# Altium PCB OMD_60V_REF_1.PcbDoc (part 5 of 6) (continued)
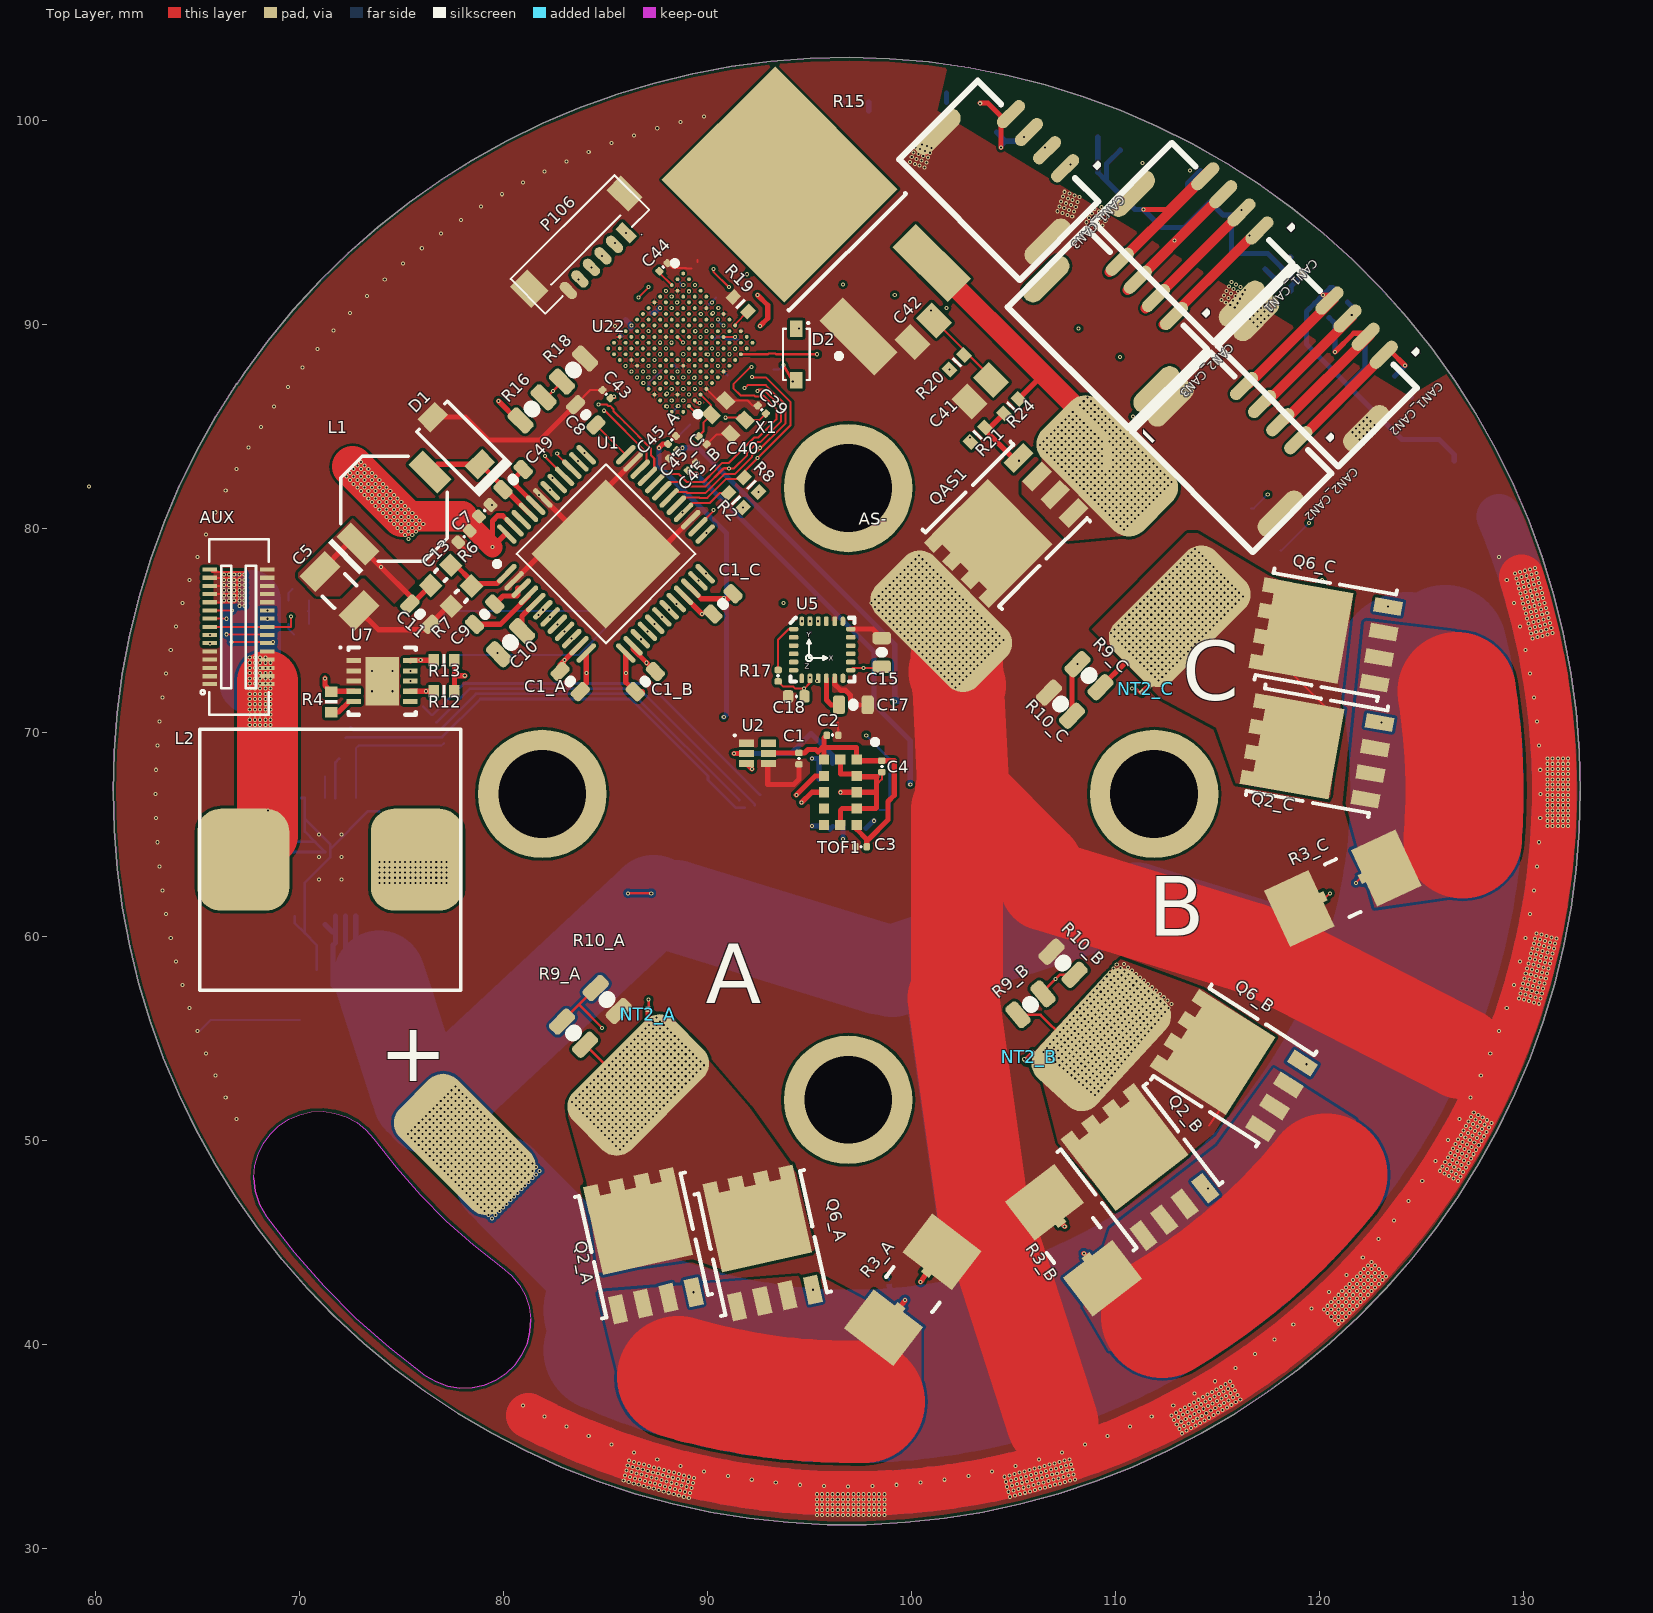
[diagram p0: Top Layer view]
## Nets (pads, with @x,y where several pads share a name; then routed paths per layer and width w, separated by ;. In a path a pad name is that pad's centre, name@x,y a point inside that pad or via, vN(x,y) a via of type N, cw(c..) or ccw(c..) an arc to the next point about the centre after c; other vN are vias at no path point) (continued)
  other v2: 120.186,91.44
  other v3: 120.186,91.44
NetCAN1_CAN3_1: CAN1_CAN3.1 U1_CAN3.11 U1_CAN3.16 | length 23.8
  L3 w0.254: v3(95.377,100.889) 96.952,99.314 101.483,99.314 104.013,96.784 107.305,96.784 107.374,96.853 107.702,96.853 107.823,96.974 107.823,98.791 105.649,100.965 104.896,100.965 104.388,101.473 101.854,101.473 v3(101.727,101.346)
  Bottom Layer w0.254: U1_CAN3.16@101.727,100.889 v3(101.727,101.346)
  other v1: 107.807,97.841
  other v2: 107.807,97.841
  other v3: 107.807,97.841
NetCAN1_CAN3_2: CAN1_CAN3.2 R1_CAN3.1 U1_CAN3.13 | length 11.8
  Top Layer w0.127: CAN1_CAN3.2@106.553,98.64 v7(106.553,98.679)
  L3 w0.127: 105.849,98.61 106.506,98.61 106.437,98.679 v7(106.553,98.679)
  L3 w0.254: v3(97.917,100.457) 98.679,99.695 101.641,99.695 103.038,98.298 105.537,98.298 105.849,98.61 105.882,98.643 105.882,100.09 v2(105.849,100.123)
  Bottom Layer w0.254: v3(97.917,100.457) U1_CAN3.13@97.917,100.889
  other v3: 105.849,100.123
NetCAN1_CAN3_3: CAN1_CAN3.3 R2_CAN3.2 U1_CAN3.12 | length 10.5
  Top Layer w0.127: v7(105.528,99.187) CAN1_CAN3.3@105.767,99.426
  L3 w0.127: 104.314,100.203 105.33,99.187 v7(105.528,99.187)
  L3 w0.254: v3(96.647,100.889) 96.669,100.911 98.105,100.911 98.371,100.645 98.371,100.542 98.71,100.203 104.314,100.203 v2(104.665,100.554)
  other v3: 104.665,100.554
NetCAN1_CAN3_4: CAN1_CAN3.4 R1_CAN3.2 R2_CAN3.1 U1_CAN3.9 U1_CAN3.10 U1_CAN3.14 U1_CAN3.15 | length 15.8
  Top Layer w0.254: v1@103.366,100.85 103.747,100.85 104.394,100.203 v1(104.394,98.679)
  L3 w0.254: v3(92.837,100.838) v3(94.107,100.838) 94.612,101.343 98.212,101.343 98.666,100.889 v3(99.187,100.889) 99.39,101.092 v3(100.457,101.092) 101.339,101.092 101.539,100.892 101.915,100.892 102.115,101.092 103.124,101.092 v1(103.378,100.838)
  Bottom Layer w0.254: R2_CAN3.1@104.173,99.429 104.621,98.981 ; v1(104.394,98.679) 104.394,98.754 104.621,98.981 ; R1_CAN3.2@105.322,98.981 104.621,98.981
  other v2: 104.394,98.679 103.378,100.838
  other v3: 104.394,98.679 103.378,100.838
NetD2_C: D2.C R20.2 | length 8.2
  L3 w0.1: v4(94.488,89.789) 99.866,89.789 v4(101.876,87.779)
  other v6: 101.876,87.779 94.488,89.789
NetNT1_1: NT1.1 U1.7 | length 41.4
  Top Layer w0.127: v1(86.106,62.103) v1(87.249,62.103)
  L2 w0.1: 91.313,50.038 98.044,43.307 v3(98.806,43.307)
  L2 w0.127: v1(82.29,75.652) 81.407,74.769 81.407,72.78 86.233,67.954 86.233,62.575 86.197,62.539 86.197,62.194 v1(86.106,62.103) ; v1(87.249,62.103) 87.249,59.182 91.313,55.118 91.313,50.038
  Bottom Layer w0.1: v3(98.806,43.307) 98.918,43.195 NT1.1@98.918,43.136
  other v1: 98.806,43.307
  other v2: 98.806,43.307
NetNT2_A_1: NT2_A.1 U1.9 | length 20.9
  Top Layer w0.127: NT2_A.1@87.105,56.508 87.122,56.524 v1(87.122,56.896)
  L2 w0.127: v1(82.997,74.945) 82.169,74.117 82.169,72.737 86.741,68.165 86.741,62.365 86.705,62.329 86.705,61.877 86.741,61.841 86.741,57.277 v1(87.122,56.896)
NetNT2_B_1: NT2_B.1 U1.16 | length 28.7
  Top Layer w0.1: v1(105.537,53.975) NT2_B.1@105.604,53.908
  L2 w0.1: 91.186,70.91 93.091,69.005 93.091,66.536 93.345,66.282
  L2 w0.127: v1(87.063,74.945) 87.152,74.945 91.186,70.91 ; 93.345,66.282 v1@105.589,54.027
NetNT2_C_1: NT2_C.1 U1.19 | length 27.3
  Top Layer w0.127: v1(110.822,72.136) 111.006,72.136 NT2_C.1@111.24,71.902
  L2 w0.127: v1(88.124,76.005) 94.787,69.342 94.847,69.342 94.856,69.351 95.39,69.351 95.536,69.206 104.236,69.206 107.166,72.136 v1(110.822,72.136)
NetQ1_A_G: Q1_A.G Q5_A.G U1.8 | length 40.4
  Top Layer w0.127: v1(82.643,75.283) U1.8@82.643,75.298
  L2 w0.127: v1(82.643,75.283) 81.788,74.428 81.788,72.758 86.487,68.059 86.487,62.47 86.451,62.434 86.451,61.772 86.487,61.736 86.487,57.023 86.995,56.515 88.646,56.515 90.424,54.737 90.424,49.276 89.9,48.752 v3(89.9,45.642)
  L3 w0.1: v3(89.9,45.642) 93.14,45.642 94.147,46.649 v3(95.091,46.649)
  other v2: 89.9,45.642
NetQ1_B_G: Q1_B.G Q5_B.G U1.17 | length 41.6
  L2 w0.1: 91.703,71.011 93.599,69.116 93.599,66.428 93.853,66.174
  L2 w0.127: v1(87.416,75.298) 91.703,71.011 ; 93.853,66.174 106.313,53.714 106.313,53.663 108.16,51.816 v2(111.379,51.816) 114.681,55.118 v3(114.681,56.769)
  other v2: 114.681,56.769
  other v3: 111.379,51.816
NetQ1_C_G: Q1_C.G Q5_C.G U1.18 | length 43.5
  L2 w0.1: v3(118.75,75.159) 117.45,75.159 116.459,74.168 116.459,73.66 119.947,70.172 v3(120.271,70.172)
  L2 w0.127: v1(87.77,75.652) 94.334,69.088 94.952,69.088 94.961,69.097 95.285,69.097 95.431,68.952 104.385,68.952 107.161,71.728 113.765,71.728 117.196,75.159 117.45,75.159
  other v2: 120.271,70.172 118.75,75.159
NetQ2_A_G: Q2_A.G Q6_A.G U1.10 | length 43.4
  Top Layer w0.127: v1(83.349,74.591) U1.10@83.351,74.591
  L2 w0.1: v1(89.331,42.543) 94.158,42.543 94.234,42.62 95.123,42.62 95.123,45.466
  L2 w0.127: v1(83.349,74.591) 82.549,73.792 82.549,72.778 86.995,68.332 86.995,62.26 86.959,62.223 86.959,61.983 86.995,61.946 86.995,59.055 91.059,54.991 91.059,49.53 95.123,45.466
  other v1: 95.169,42.666
NetQ2_A_S: Q2_A.S Q6_A.S R3_A.1 | length 9.2
  Top Layer w6: 88.566,38.385 ccw(c97.028,67.167) 97.666,37.174
NetQ2_B_G: Q2_B.G Q6_B.G U1.15 | length 49.5
  Top Layer w0.127: U1.15@86.709,74.591 v1(86.741,74.559)
  L2 w0.1: 89.145,72.236 89.145,72.008 90.69,70.462 90.918,70.462 92.583,68.797 92.583,65.024 92.837,64.77 ; 106.553,51.054 111.125,51.054 v1(114.554,47.625) 119.38,52.451 v1(119.38,53.721)
  L2 w0.127: v1(86.741,74.559) 86.821,74.559 89.145,72.236 ; 92.837,64.77 106.553,51.054
NetQ2_B_S: Q2_B.S Q6_B.S R3_B.1 | length 10.7
  Top Layer w6: 112.301,41.346 ccw(c97.028,67.167) 120.35,48.297
NetQ2_C_G: Q2_C.G Q6_C.G U1.20 | length 47.5
  Top Layer w0.127: v1(88.477,76.297) U1.20@88.477,76.359
  L2 w0.1: v1(123.063,70.485) 123.063,74.549 123.381,74.867 v1(123.381,76.161)
  L2 w0.127: v1(88.477,76.297) 95.169,69.605 97.482,69.605 97.628,69.46 104.131,69.46 107.187,72.516 111.113,72.516 111.603,72.027 112.589,72.027 113.079,72.516 114.194,72.516 116.042,74.364 116.042,74.415 117.076,75.45 118.87,75.45 119.643,74.676 120.65,74.676 122.135,76.161 v1(123.381,76.161)
NetQ2_C_S: Q2_C.S Q6_C.S R3_C.1 | length 7.3
  Top Layer w5.8: 126.736,72.007 cw(c97.028,67.167) 127.031,64.757
NetQAS1_G: QAS1.G QAS2.G R21.2 R24.1 | length 7.2
  Top Layer w0.254: R24.1@104.548,85.625 103.713,84.79 103.632,84.79 104.979,83.443 QAS1.G@105.26,83.443
  L2 w0.1: v1(105.283,83.312) 105.283,83.185 v2(107.832,80.636)
  other v3: 107.832,80.636
NetR4_2: R4.2 U7.5 | length 1.3
  Top Layer w0.254: R4.2@71.552,70.985 71.919,70.985 72.443,71.509 U7.5@72.668,71.509
NetR6_1: R6.1 R7.2 U1.1 | length 3.2
  Top Layer w0.254: R6.1@77.545,78.313 78.561,77.297 79.692,77.297 U1.1@80.169,77.773
NetR12_1: R12.1 TOF1.9 U7.7 U22.N11 | length 46.5
  Top Layer w0.254: U7.7@75.438,72.009 v4(76.2,72.009) R12.1@76.589,72.009 ; v1(94.615,66.548) 95.123,67.056 TOF1.9@95.72,67.056
  L2 w0.125: v2(76.236,76.363) 79.375,79.502 80.645,79.502 v2(80.899,79.248) ; v2(85.471,83.693) 85.676,83.693 87.073,85.09 87.503,85.09 87.926,85.513 87.926,85.528 88.088,85.689 88.131,85.689 88.301,85.859 88.301,86.099 88.249,86.151 88.249,86.273 v1(88.252,86.27)
  L2 w0.254: v2(94.234,66.421) 94.488,66.421 v1(94.615,66.548)
  L3 w0.125: v4(76.2,72.009) 76.39,72.199 76.39,76.209 v2(76.236,76.363) ; v2(80.899,79.248) 80.899,79.502 85.09,83.693 v2(85.471,83.693)
  L3 w0.254: v4(76.2,72.009) 76.708,71.501 v3(76.708,70.485) ; v3(92.329,66.421) v2(94.234,66.421)
  Bottom Layer w0.127: v3(76.708,70.485) 78.359,72.136 86.658,72.136 92.329,66.465 v3(92.329,66.421)
  other v1: 76.2,72.009
NetR13_1: R13.1 TOF1.10 U7.10 U22.N12 | length 47.3
  Top Layer w0.254: U7.10@75.438,73.509 75.462,73.533 v4(75.946,73.533) R13.1@76.589,73.533 ; v1(94.361,66.929) 95.288,67.856 TOF1.10@95.72,67.856
  L2 w0.125: v2(75.946,76.708) 79.121,79.883 80.772,79.883 v2(81.28,79.375) ; v2(85.725,83.312) 86.614,83.312 87.34,84.038 87.34,84.067 87.51,84.237 87.539,84.237 88.59,85.288 v1(88.59,85.987)
  L2 w0.254: v2(94.107,66.929) v1(94.361,66.929)
  L3 w0.125: v4(75.946,73.533) v2(75.946,76.708) ; v2(81.28,79.375) 81.788,79.375 v2(85.725,83.312)
  L3 w0.254: v4(75.946,73.533) 76.073,73.406 76.073,72.421 75.819,72.167 75.819,71.851 76.073,71.597 v3(76.073,71.247) ; v3(92.583,66.929) v2(94.107,66.929)
  Bottom Layer w0.127: v3(76.073,71.247) 76.454,70.866 76.537,70.866 78.061,72.39 87.122,72.39 v3(92.583,66.929)
  other v1: 75.946,73.533
NetR17_2: R17.2 U5.1 | length 2.5
  Top Layer w0.1: R17.2@93.472,73.051 93.472,74.549 93.98,75.057 U5.1@94.231,75.057
NetR21_1: R21.1 U22.G6 | length 16.7
  Top Layer w0.1: U22.G6@88.535,89.381 v6(88.803,89.113)
  L2 w0.1: v6(88.803,89.113) 88.923,89.113 89.159,88.877 89.875,88.877 90.111,89.113 90.637,89.113 90.616,89.092 v4(90.586,89.092)
  L3 w0.1: v4(90.586,89.092) 90.642,89.036 91.193,89.036 91.233,89.077 98.248,89.077 v4(102.87,84.455)
  other v6: 102.87,84.455
NetU1_CAN1_3: U1_CAN1.3 U22.D1 | length 27.1
  L2 w0.1: v2(91.694,94.488) 92.021,94.815 103.993,94.815 110.326,88.482 v1(110.236,88.392)
  L3 w0.254: v2(87.969,91.644) 87.969,92.668 89.789,94.488 v2(91.694,94.488)
  Bottom Layer w0.1: v3@91.724,94.433 v3@91.724,94.518
  other v1: 87.969,91.644
  other v2: 110.236,88.392
  other v3: 110.236,88.392 91.694,94.488
NetU1_CAN1_5: U1_CAN1.5 U22.E3 | length 24.3
  L2 w0.1: v1(88.252,90.795) 88.252,90.553 88.531,90.274 88.761,90.274 88.923,90.436 88.923,90.666 88.904,90.685 88.904,90.756 89.017,90.869 89.017,90.941 91.244,93.168 91.244,93.181 92.651,94.588 103.293,94.588 108.092,89.789 v1(108.204,89.789)
  other v2: 108.204,89.789
  other v3: 108.204,89.789
NetU1_CAN2_3: U1_CAN2.3 U22.J5 | length 42.3
  L2 w0.1: v1(91.948,92.456) 93.726,92.456 94.969,91.213 98.881,91.213 98.931,91.163 99.443,91.163 99.564,91.284 99.564,91.993 100.254,92.683 104.877,92.683 107.827,89.733 107.827,89.633 108.048,89.412 108.683,89.412 110.08,88.015 110.123,88.015 110.142,87.996 110.33,87.996 110.349,88.015 111.756,88.015 v1(119.507,80.264)
  L3 w0.1: v1(87.687,89.098) 87.906,89.098 89.15,90.342 89.15,90.753 89.29,90.893 89.29,91.008 90.738,92.456 v1(91.948,92.456)
  Bottom Layer w0.1: U1_CAN2.3@118.106,78.9 118.143,78.9 v1(119.507,80.264)
  other v2: 119.507,80.264 87.687,89.098 91.948,92.456
  other v3: 119.507,80.264 91.948,92.456
NetU1_CAN2_5: U1_CAN2.5 U22.H8 | length 38.3
  L2 w0.1: v1(88.818,88.532) 89.159,88.191 89.482,88.191 90.678,86.995 91.186,86.995 91.694,87.503 91.694,88.265 94.362,90.933 99.534,90.933 99.791,91.19 99.791,91.899 100.348,92.456 104.683,92.456 107.954,89.185 108.589,89.185 109.986,87.788 110.029,87.788 110.048,87.769 110.326,87.769 110.358,87.737 111.653,87.737 117.602,81.788 v1(117.475,81.661)
  Bottom Layer w0.1: U1_CAN2.5@116.649,80.981 116.795,80.981 v1(117.475,81.661)
  other v2: 117.475,81.661
  other v3: 117.475,81.661
NetU1_CAN3_3: U1_CAN3.3 U22.D8 | length 12.4
  L2 w0.1: v1(89.949,89.664) 89.381,90.232 89.381,90.591 89.471,90.681 89.471,90.753 91.451,92.733 92.063,92.733 92.113,92.683 94.134,92.683 95.377,91.44 v1(99.187,91.44)
  other v2: 99.187,91.44
  other v3: 99.187,91.44
NetU1_CAN3_5: U1_CAN3.5 U22.E8 | length 10.6
  L2 w0.1: v1(89.666,89.381) 89.662,89.385 89.293,89.385 89.131,89.547 89.131,90.323 89.15,90.342 89.15,90.681 89.244,90.775 89.244,90.847 91.357,92.96 94.365,92.96 95.377,91.948 v1(96.647,91.948)
  other v2: 96.647,91.948
  other v3: 96.647,91.948
NetU2_3: U2.3 U22.K10 | length 21.6
  Top Layer w0.254: U2.3@91.921,68.461 v4(92.183,68.199)
  L2 w0.1: v1(88.818,87.401) 89.123,87.097 v2(89.154,87.097)
  L3 w0.1: v2(89.154,87.097) 89.179,87.097 89.578,86.698 89.578,86.267 90.782,85.064 90.782,82.816 90.805,82.793 90.805,78.867
  L3 w0.254: 90.805,78.867 92.964,76.708 92.964,68.98 v4(92.183,68.199)
  other v1: 92.183,68.199
NetU22_H6: U22.H6 U22.J3 | length 1.5
  Top Layer w0.1: v1(88.249,89.098) U22.H6@88.252,89.098
  L2 w0.1: v1(87.121,89.664) 87.491,89.294 87.572,89.375 87.801,89.375 87.964,89.213 87.964,89.098 v1(88.249,89.098)
nFAULT: R2.2 U1.28 U22.M7 | length 13.3
  Top Layer w0.1: U1.28@88.831,80.778 88.831,80.812 89.265,81.247 90.131,81.247 90.618,81.733 R2.2@91.042,81.733
  L2 w0.1: v1(87.404,87.684) 87.379,87.66 87.379,87.327 87.379,86.612 87.404,86.588 86.979,86.164 86.979,86.145 84.962,84.128 84.962,83.332 87.976,80.317 88.336,80.317 v1(88.785,80.766)
Phase_A_Volt_sense: C45_A.1 R9_A.1 R10_A.1 U22.L9 | length 40.8
  Top Layer w0.1: U22.L9@88.252,87.401 88.226,87.375 v4(88.311,87.375)
  Top Layer w0.127: R9_A.1@82.873,55.811 83.705,56.642 ; R10_A.1@84.524,57.462 83.705,56.642 ; v2(84.836,55.499) 84.836,55.511 83.705,56.642
  Top Layer w0.254: v1(87.63,83.947) 87.813,84.13 C45_A.1@88.067,84.13
  L3 w0.1: v1(87.63,83.947) 87.63,84.697 87.38,84.947 87.38,86.355 87.734,86.709 87.734,86.798 v4(88.311,87.375)
  L3 w0.127: v2(84.836,55.499) 90.805,61.468 v2(90.805,70.739)
  Bottom Layer w0.254: v1(87.63,83.947) 87.63,83.058 90.932,79.756 90.932,70.866 v2(90.805,70.739)
  other v1: 84.836,55.499 90.805,70.739 88.311,87.375
  other v2: 87.63,83.947
  other v3: 90.805,70.739 87.63,83.947
Phase_B_Volt_sense: C45_B.1 R9_B.1 R10_B.1 U22.P11 | length 38.6
  Top Layer w0.127: R9_B.1@106.457,57.174 106.457,57.297 v1(107.067,57.906) 107.268,58.108 R10_B.1@108.008,58.108
  Top Layer w0.254: C45_B.1@89.044,82.827 89.21,82.661 v1(89.455,82.661)
  L2 w0.127: v1(99.949,67.437) 99.949,65.786 107.067,58.668 v1(107.067,57.906)
  L3 w0.1: v4(88.011,85.979) 87.884,85.852 87.884,85.217 88.777,84.324 88.929,84.324 89.15,84.103 89.15,82.966 v1(89.455,82.661)
  Bottom Layer w0.254: v1(89.455,82.661) 98.171,73.945 98.171,71.374 99.949,69.596 v1(99.949,67.437)
  other v1: 88.011,85.979
  other v2: 99.949,67.437 89.455,82.661
  other v3: 99.949,67.437 89.455,82.661
Phase_C_Volt_sense: C45_C.1 R9_C.1 R10_C.1 U22.N10 | length 33.7
  Top Layer w0.127: C45_C.1@88.514,83.82 v1(88.773,83.947)
  Top Layer w0.254: R10_C.1@107.881,70.808 107.881,73.071 v1(108.146,73.337)
  L2 w0.254: v1(99.187,71.501) 103.886,71.501 105.722,73.337 v1(108.146,73.337)
  L3 w0.1: v4(88.011,86.614) 88.011,86.414 87.853,86.256 87.769,86.256 87.607,86.094 87.607,85.041 88.773,83.875 v1(88.773,83.947)
  Bottom Layer w0.254: v1(88.773,83.947) 89.535,83.947 99.187,74.295 99.187,71.755 99.441,71.501 v1(99.187,71.501)
  other v1: 88.011,86.614
  other v2: 99.187,71.501 88.773,83.947
  other v3: 99.187,71.501 88.773,83.947
PWM_A_H: U1.37 U22.P7 | length 5.1
  Top Layer w0.1: U1.37@83.756,83.999 83.756,83.914 v1(83.974,83.697)
  L2 w0.1: v1(83.974,83.697) 83.974,84.018 84.538,84.582 84.696,84.582 86.875,86.762 v1(86.875,87.118)
PWM_A_L: U1.38 U22.N7 | length 6
  Top Layer w0.1: v1(83.666,83.291) U1.38@83.704,83.253
  L2 w0.1: v1(83.666,83.291) 83.666,83.389 83.697,83.42 84.088,83.42 84.251,83.582 84.251,83.974 84.605,84.328 84.762,84.328 85.425,84.991 87.152,86.718 87.152,87.233 87.115,87.27 87.115,87.395 87.109,87.401 v1(87.102,87.401)
PWM_B_H: U1.39 U22.K6 | length 10
  Top Layer w0.1: v1@82.588,83.662 v1@82.59,83.66 ; v1(82.638,83.66) v1@82.59,83.66 ; U1.39@83.351,82.9 82.614,83.636 v1@82.59,83.66
  L2 w0.1: v1(82.638,83.66) 82.638,83.78 82.804,83.945 82.804,84.328 83.781,85.305 83.781,87.143 85.65,89.011 86.963,89.011 87.442,88.532 v1(87.687,88.532)
PWM_B_L: U1.40 U22.J6 | length 11.1
  Top Layer w0.1: v1(82.05,83.55) 82.05,83.494 U1.40@82.997,82.546
  L2 w0.1: v1(82.05,83.55) 82.05,83.583 82.474,84.007 82.474,84.379 83.54,85.445 83.54,87.223 85.556,89.238 87.057,89.238 87.486,88.809 87.964,88.809 v1(87.969,88.815)
PWM_C_H: U1.41 U22.P6 | length 6.8
  L2 w0.1: v1(82.409,82.473) 82.429,82.473 83.697,83.741 83.697,84.062 84.448,84.813 84.605,84.813 85.237,85.445 86.598,86.806 86.598,87.077 86.555,87.12 v1(86.555,87.401)
PWM_C_L: U1.42 U22.L6 | length 10.6
  Top Layer w0.1: U1.42@82.29,81.839 v1(82.29,81.873)
  L2 w0.1: v1(82.29,81.873) 81.96,82.203 81.96,82.742 82.601,83.383 82.753,83.383 82.915,83.545 82.915,83.736 83.031,83.851 83.031,84.234 84.035,85.238 84.035,87.076 85.723,88.764 86.89,88.764 v1(87.404,88.25)
R\S\T\: C38.1 U22.L11 | length 3.1
  L2 w0.1: v4(88.646,86.614) 88.646,86.663 v1(88.818,86.835)
  L3 w0.1: v4(88.646,86.614) 88.773,86.741 89.095,86.419 89.095,86.107 89.004,86.016 89.004,85.621 v2(89.154,85.471) v3(89.154,85.09)
  Bottom Layer w0.1: C38.1@88.571,84.582 88.646,84.582 v3(89.154,85.09)
SPI1_CS: U5.22 U22.A7 | length 18.6
  L3 w0.1: v2(90.551,90.805) 90.551,90.706 90.587,90.671 90.587,90.449 90.164,90.026 90.164,89.349 89.535,88.72 89.535,88.605 90.079,88.06 90.079,88.005 90.374,87.71 90.374,87.395 90.87,86.899 91.007,86.899 91.618,86.289 91.776,86.289 91.857,86.208 91.857,85.986 91.692,85.822 91.692,83.332 91.79,83.234 91.79,80.453 93.085,79.158 93.085,79.007 95.431,76.661 v4(95.431,75.441)
  other v1: 95.431,75.441 90.551,90.805
SPI1_MISO: U5.9 U22.C6 | length 24.1
  L2 w0.1: v2(91.44,85.979) 91.567,85.979 91.694,85.852 92.075,85.852 v2(92.202,85.725) ; v2(89.68,90.499) 89.687,90.505 89.708,90.505 89.702,90.499 v2(89.68,90.499)
  L3 w0.1: 89.662,90.156 89.68,90.138 ; v2(89.68,90.499) 89.68,90.138 ; v2(91.44,85.979) 91.44,86.084 91.462,86.106 90.896,86.672 90.776,86.672 90.147,87.301 90.147,87.616 89.852,87.911 89.852,87.966 89.281,88.538 89.281,88.787 89.937,89.443 89.937,89.881 89.68,90.138
  L3 w0.125: v2(92.202,85.725) 92.166,85.689 92.166,83.319 92.202,83.284 92.202,80.38 93.325,79.258 93.325,79.106 97.155,75.276 97.155,72.517 96.901,72.263 95.631,72.263 v4(95.377,72.517)
  other v1: 95.377,72.517 89.68,90.499
SPI1_MOSI: U5.24 U22.E7 | length 17.1
  L3 w0.1: v2(89.408,89.662) 89.408,89.574 88.827,88.993 88.827,88.294 89.16,87.961 89.216,87.961 89.378,87.799 89.378,87.744 89.693,87.428 89.693,86.971 89.739,86.926 89.739,86.918 89.893,86.764 90.031,86.764 90.193,86.602 90.193,86.464 90.678,85.979 90.889,85.979 90.936,85.932 90.936,85.77 91.183,85.523 91.183,83.198 91.336,83.046 91.336,80.265 92.631,78.97 92.631,78.777 94.473,76.934 94.473,75.598 v4(94.631,75.441)
  other v1: 94.631,75.441 89.408,89.662
SPI1_SCK: U5.23 U22.B7 | length 19.4
  Top Layer w0.125: U22.B7@90.232,90.512 v2(90.271,90.551)
  L3 w0.1: v2(90.271,90.551) 90.17,90.551 89.88,90.841 89.56,90.841 89.385,90.666 89.385,90.094 89.698,89.782 89.698,89.542 89.122,88.967 89.122,88.949 89.054,88.881 89.054,88.443 89.122,88.375 89.605,87.893 89.605,87.838 89.92,87.522 89.92,87.065 89.995,86.991 90.125,86.991 90.42,86.696 90.42,86.566 90.54,86.445 90.779,86.445 91.163,86.061 91.163,85.864 91.435,85.592 91.435,83.267 91.563,83.14 91.563,80.359 92.858,79.064 92.858,78.913 95.031,76.74 v4(95.031,75.441)
  other v1: 95.031,75.441 90.271,90.551
SPI2_MOSI: AUX.14 AUX.17 U22.D3 | length 64.7
  Top Layer w0.1: AUX.17@65.606,75.568 66.418,75.568 v1(66.421,75.565) ; v1(66.421,74.803) 68.393,74.803 AUX.14@68.428,74.768
  L2 w0.1: v1(66.421,74.803) v2(66.421,75.184) v1(66.421,75.565) ; v2(89.281,78.994) 91.186,78.994 92.583,77.597 v2(92.583,76.454)
  L3 w0.1: v2(88.513,91.078) 88.535,91.078 88.923,90.69 88.923,90.436 88.634,90.147 88.344,90.147 87.41,89.213 87.41,88.983 87.434,88.958 87.434,87.968 87.279,87.813 87.279,87.22 87.434,87.065 87.434,86.73 87.153,86.449 87.153,84.853 87.249,84.757 87.249,81.026 v2(89.281,78.994) ; v3(91.821,66.294) 91.844,66.317 91.844,66.79 91.821,66.813 91.821,68.538 92.583,69.3
  L3 w0.254: v2(66.421,75.184) 67.541,75.184 68.33,74.395 68.33,74.264 68.553,74.041 68.684,74.041 68.911,73.814 69.157,73.814 71.058,71.913 71.058,71.031 72.263,69.826 v3(72.263,69.723) ; 92.583,69.3 v2(92.583,76.454)
  Bottom Layer w0.127: v3(72.263,69.723) 72.299,69.759 76.998,69.759 78.867,71.628 86.255,71.628 90.034,67.849 90.034,67.656 91.396,66.294 v3(91.821,66.294)
  other v1: 88.513,91.078
SPI2_SCK: AUX.12 AUX.19 U22.B3 | length 62.7
  Top Layer w0.1: AUX.19@65.606,75.968 v1(66.697,75.968) ; v1(66.675,74.422) v4(68.711,74.422)
  L2 w0.1: v1(66.675,74.422) 66.698,74.445 66.698,75.967 v1(66.697,75.968) ; v2(88.646,90.551) 88.646,90.819 88.79,90.963 88.79,91.035 88.927,91.172 88.927,91.441 v1(89.095,91.609) ; v2(89.027,78.613) 89.131,78.717 90.955,78.717 92.075,77.597 v2(92.075,76.835)
  L3 w0.1: v2(88.646,90.551) 88.392,90.551 86.868,89.027 86.868,80.772 v2(89.027,78.613)
  L3 w0.127: 91.46,67.764 91.567,67.657 v3(91.567,66.675)
  L3 w0.254: v4(68.711,74.422) 68.841,74.422 69.068,74.195 69.315,74.195 71.439,72.071 71.439,71.189 72.517,70.111 v3(72.517,70.231) ; 91.46,67.764 91.46,68.607 92.075,69.222 v2(92.075,76.835)
  Bottom Layer w0.127: v3(72.517,70.231) 72.653,70.095 76.87,70.095 78.657,71.882 86.36,71.882 v3(91.567,66.675)
  other v1: 68.711,74.422
SPI4_CS: U1.32 U22.C12 | length 13.5
  Top Layer w0.1: U1.32@87.416,82.193 87.887,82.663 88.589,82.663 88.981,82.27 89.81,82.27 90.419,82.879 90.419,82.896 90.731,83.208 91.059,83.208 92.302,84.451 92.499,84.451 93.387,85.339 93.387,85.858 92.729,86.516 92.623,86.516 92.571,86.464 92.341,86.464 92.291,86.514 91.627,86.514 91.292,86.849 91.292,87.078 92.125,87.911 v4(92.158,87.911)
  L3 w0.1: v4(91.364,88.8) 91.379,88.8 92.213,87.966 92.268,87.911 v4(92.158,87.911)
  other v1: 92.158,87.911 91.364,88.8
SPI4_CS2: U4.5 U22.F10 | length 27.5
  L3 w0.1: v4(90.03,88.519) 90.043,88.519 90.043,88.506 90.377,88.172 90.377,88.028 90.655,87.75 90.655,87.713 90.601,87.66 90.601,87.489 90.964,87.126 91.279,87.126 91.345,87.061 91.345,86.901 91.73,86.516 91.87,86.516 92.084,86.302 92.084,86.235 92.96,85.359 92.96,83.23 92.91,83.18 92.91,80.653 94.018,79.545 94.018,79.404 98.298,75.124 98.298,74.168
  L3 w0.125: 98.298,72.009 98.298,74.168
  L3 w0.127: v1(98.171,65.659) 98.171,68.961 98.552,69.342 98.552,71.755 98.298,72.009
  Bottom Layer w0.254: 97.778,65.29 98.147,65.659 v1(98.171,65.659)
  other v1: 90.03,88.519
  other v2: 98.171,65.659
  other v3: 98.171,65.659
SPI4_MISO: R8.2 U1.29 U4.7 U22.D12 | length 34.5
  Top Layer w0.1: U1.29@88.785,81.439 U1.29@88.477,81.132 88.846,81.501 89.616,81.501 89.622,81.495 89.998,81.495 90.93,82.427 91.455,82.427 94.068,85.041 94.068,86.2 92.873,87.396 92.213,87.396 v4(92.197,87.412)
  L3 w0.1: v4(91.081,88.532) 91.081,88.528 91.274,88.334 91.323,88.334 92.197,87.46 v4(92.197,87.412) ; v2(92.456,83.439) 92.456,80.465 93.564,79.357 93.564,79.205 97.536,75.233 97.536,74.168
  L3 w0.125: 97.536,71.501 97.536,74.168
  L3 w0.127: v1(96.647,64.77) 96.647,70.612 97.536,71.501
  Bottom Layer w0.254: v3@96.651,64.77 U4.7@96.651,65.379
  other v1: 92.456,83.439 92.197,87.412 91.081,88.532
  other v2: 96.647,64.77
  other v3: 96.647,64.77
SPI4_MOSI: U1.30 U4.4 U22.E11 | length 34.6
  Top Layer w0.1: U1.30@88.515,81.877 U1.30@88.124,81.485 88.426,81.787 88.956,81.787 89.015,81.728 89.71,81.728 89.716,81.722 89.904,81.722 90.836,82.654 91.344,82.654 92.179,83.489 92.179,83.554 92.341,83.716 92.406,83.716 93.841,85.151 93.841,86.046 92.867,87.02 91.973,87.02 v4(91.821,86.868)
  L3 w0.1: v4(90.515,88.532) 90.515,88.385 90.604,88.296 90.604,88.122 90.846,87.88 91.134,87.88 91.355,87.66 91.355,87.371 91.821,86.905 v4(91.821,86.868) ; v2(92.583,83.947) 92.583,83.704 92.733,83.554 92.733,83.324 92.683,83.274 92.683,80.559 93.791,79.451 93.791,79.31 97.917,75.184 97.917,74.168
  L3 w0.125: 97.917,71.724 97.917,74.168
  L3 w0.127: v1(97.79,69.85) 97.917,69.977 97.917,71.724
  Bottom Layer w0.1: U4.4@98.451,66.179 98.806,66.179
  Bottom Layer w0.127: v1(97.79,69.85) 98.942,68.698 98.942,66.54 98.933,66.531 98.933,66.306 98.806,66.179
  other v1: 92.583,83.947 91.821,86.868 90.515,88.532
  other v2: 97.79,69.85
  other v3: 97.79,69.85
SPI4_SCK: U1.31 U4.12 U22.E10 | length 31.3
  Top Layer w0.1: U1.31@87.77,81.839 88.194,82.263 88.607,82.263 88.827,82.043 89.904,82.043 90.792,82.931 ; v1@91.059,82.96 90.821,82.96 90.792,82.931 ; v4(92.456,86.741) 92.508,86.793 92.773,86.793 93.614,85.952 93.614,85.245 92.593,84.224 92.468,84.224 91.952,83.708 91.952,83.583 91.3,82.931 v2(91.059,82.931) 90.792,82.931
  L3 w0.1: v4(90.232,88.815) 90.238,88.809 90.641,88.809 90.804,88.647 90.804,88.418 90.831,88.39 90.831,88.239 90.963,88.107 91.228,88.107 91.582,87.754 91.582,87.615 v4(92.456,86.741)
  L3 w0.125: v2(91.059,82.931) 91.059,80.204 92.392,78.871 92.392,78.677 94.234,76.835 94.234,73.152 95.377,72.009 95.377,69.469 95.631,69.215 95.631,68.961
  L3 w0.254: v1(95.123,68.707) 95.377,68.707 95.631,68.961
  Bottom Layer w0.254: v1(95.123,68.707) 95.452,68.707 95.478,68.681 U4.12@95.478,67.679
  other v1: 91.059,82.931 92.456,86.741 90.232,88.815
  other v2: 95.123,68.707
  other v3: 95.123,68.707
SWCLK: P106.5 U22.A3 | length 7.8
  L2 w0.1: v1(83.693,92.202) 83.693,93.091 84.582,93.98 84.963,93.98 86.487,92.456 88.854,92.456 v2(89.384,91.927)
  other v1: 89.384,91.927
SWDIO: P106.4 U22.D2 | length 4.9
  Top Layer w0.1: v1(86.614,91.313) v1(87.122,91.821)
  L2 w0.1: v1(84.316,92.791) 85.794,91.313 v1(86.614,91.313) ; v1(87.122,91.821) 87.4,91.821 87.855,91.367 88.246,91.367 v2(88.252,91.361)
  other v1: 88.252,91.361
USART1_RX: P106.3 U22.C8 | length 8.1
  L2 w0.1: v1(84.836,93.345) 85.012,93.345 87.171,91.186 87.714,91.186 87.761,91.14 87.803,91.14 87.975,90.968 87.975,90.509 88.904,89.58 88.904,89.453 89.199,89.158 89.326,89.158 89.38,89.104 89.781,89.104 90.232,89.555 v1(90.232,89.947)
USART1_TX: P106.2 U22.B9 | length 8.5
  Top Layer w0.1: v1(90.297,92.71) 90.297,92.583 v1(91.059,91.821)
  L2 w0.1: v1(85.471,93.98) 86.741,92.71 v1(90.297,92.71) ; v1(90.798,89.947) 90.828,89.977 90.828,91.59 v1(91.059,91.821)
VBAT: C41.2 C42.2 R20.1 U22.C13 | length 14.3
  Top Layer w0.1: U22.C13@91.646,88.532 92.98,88.532 93.008,88.56 93.343,88.56 93.371,88.532 v1(95.385,88.532) ; C42.2@101.114,90.192 103.908,87.398 C41.2@103.908,87.271
  L2 w0.1: v1(95.385,88.532) 95.644,88.532 97.79,90.678 v1(100.965,90.678)
VSENSE: R16.1 R18.1 U22.M10 | length 11.8
  Top Layer w0.127: R16.1@81.971,86.42 82.108,86.42 v1(82.429,86.741) R18.1@82.876,87.188
  L2 w0.1: 85.725,89.535 86.564,89.535 86.97,89.941 87.557,89.941 88.122,89.375 88.364,89.375 88.526,89.213 88.526,88.998 88.526,88.98 87.791,88.245 87.791,88.035 88.034,87.792 88.034,87.054 v1(88.252,86.835)
  L2 w0.127: v1(82.429,86.741) 85.213,89.526 85.633,89.526 85.642,89.535 85.725,89.535
pads on no net: 5V_BUCK.8 5V_BUCK.13 5V_BUCK.16 5V_BUCK.18 R15.4 TOF1.7 TOF1.8 U1.46 U1_CAN1.4 U1_CAN1.6 U1_CAN2.4 U1_CAN2.6 U1_CAN3.4 U1_CAN3.6 U2.6 U4.1 U4.2 U4.3 U4.6 U4.9 U4.10 U4.11 U4.14 U4.15 U4.16 U4.17 U5.2 U5.3 U5.4 U5.5 U5.6 U5.7 U5.12 U5.14 U5.15 U5.16 U5.17 U5.19 U5.21 U7.6 U22.A1 U22.A2 U22.A4 U22.A5 U22.A9 U22.A12 U22.A13 U22.B1 U22.B4 U22.B5 U22.B10 U22.B12 U22.B13 U22.C3 U22.C4 U22.C5 U22.C7 U22.C9 U22.C11 U22.D4 U22.D5 U22.D6 U22.D7 U22.D9 U22.D10 U22.D11 U22.D13 U22.E1 U22.E2 U22.E4 U22.E5 U22.E6 U22.E9 U22.E12 U22.E13 U22.F3 U22.F4 U22.F5 U22.F6 U22.F7 U22.F8 U22.F9 U22.F11 U22.G1 U22.G2 U22.G3 U22.G4 U22.G5 U22.G8 U22.G9 U22.G10 U22.G11 U22.G12 U22.G13 U22.H1 U22.H2 U22.H3 U22.H4 U22.H9 U22.H10 U22.H11 U22.H12 U22.H13 U22.J1 U22.J2 U22.J4 U22.J7 U22.J8 U22.K2 U22.K3 U22.K4 U22.K5 U22.K7 U22.K8 U22.K11 U22.L1 U22.L2 U22.L3 U22.L4 U22.L5 U22.L7 U22.L8 U22.L10 U22.M2 U22.M3 U22.M4 U22.M5 U22.M9 U22.N1 U22.N2 U22.N3 U22.N8 U22.N9 U22.N13 U22.P1 U22.P2 U22.P3 U22.P8 U22.P10 U22.P12 U22.P13
copper on no net:
  other v1: 59.69,82.042
  other v3: 88.138,83.439
  other v4: 59.309,82.804

## Polygon pours and split planes (outlines as drawn)
5V_MCU on Top Layer "5V_MCU_L01_P044" (solid, remove dead copper, pour order 44): 65.786,78.105 65.786,76.327 66.929,76.327 67.056,76.2 67.31,76.2 67.31,77.724 66.294,77.724
GND on Top Layer "GND_L01_P036" (solid, remove dead copper, pour order 36): 952 vertices, not listed, extent 60.833,31.128 132.833,103.115
NetB_1 on Top Layer "NETB_1_L01_P028" (solid, remove dead copper, pour order 28): 110.13,46.602 114.808,50.292 117.777,55.07 114.264,57.404 110.261,58.878 106.06,54.353 107.21,49.858